# KiCad board noraneko42w.kicad_pcb
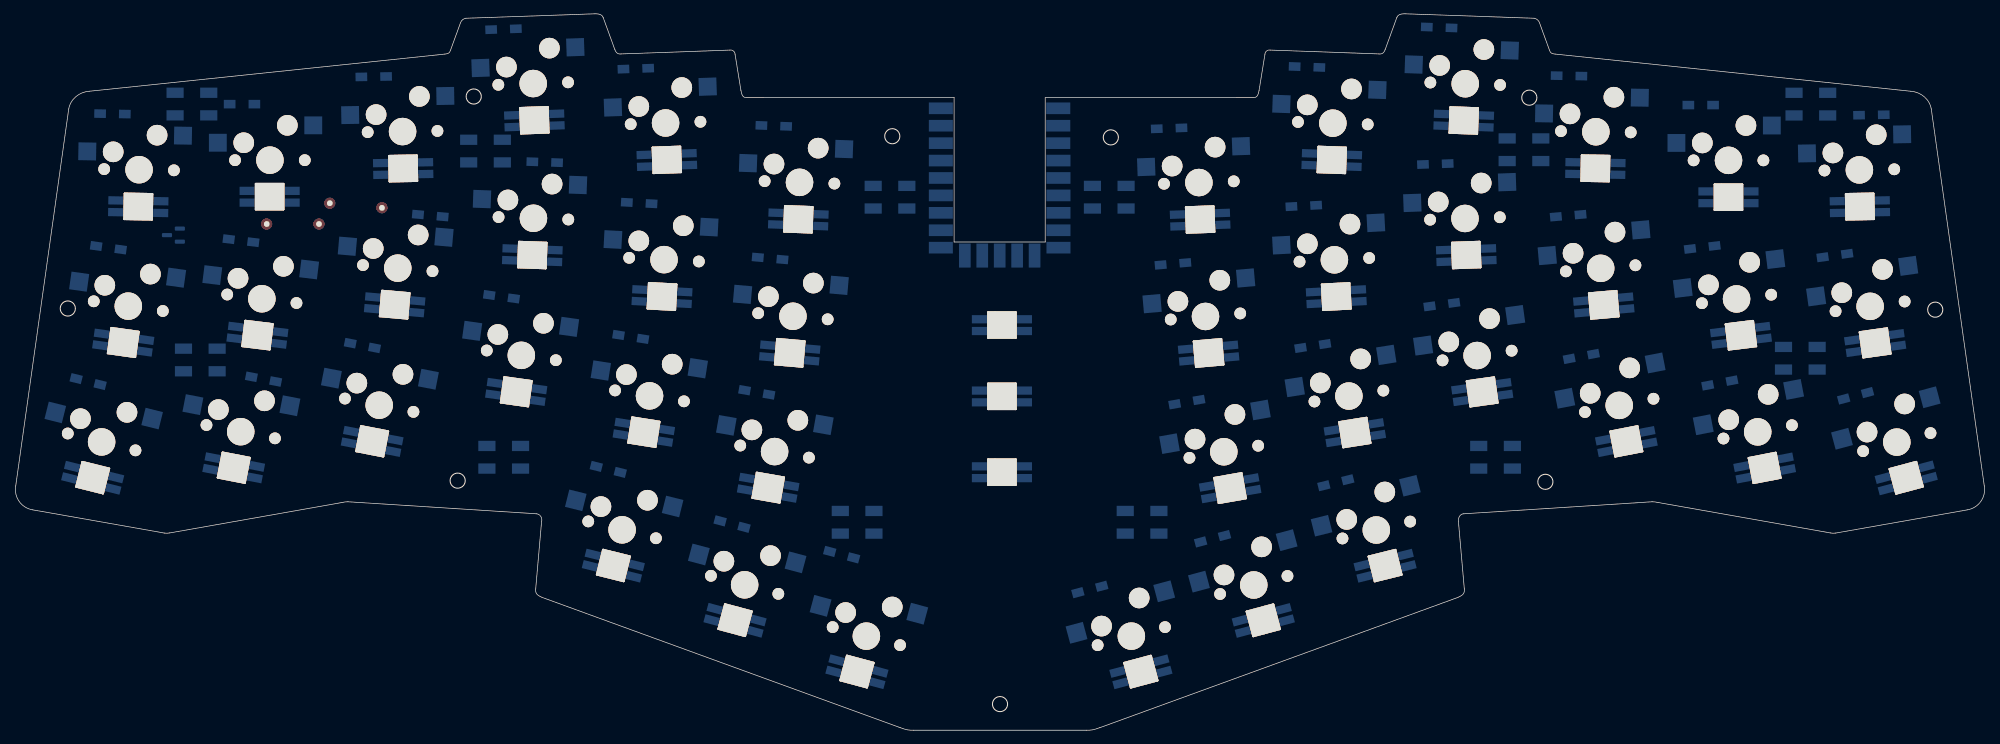
[diagram p0: board, top side]
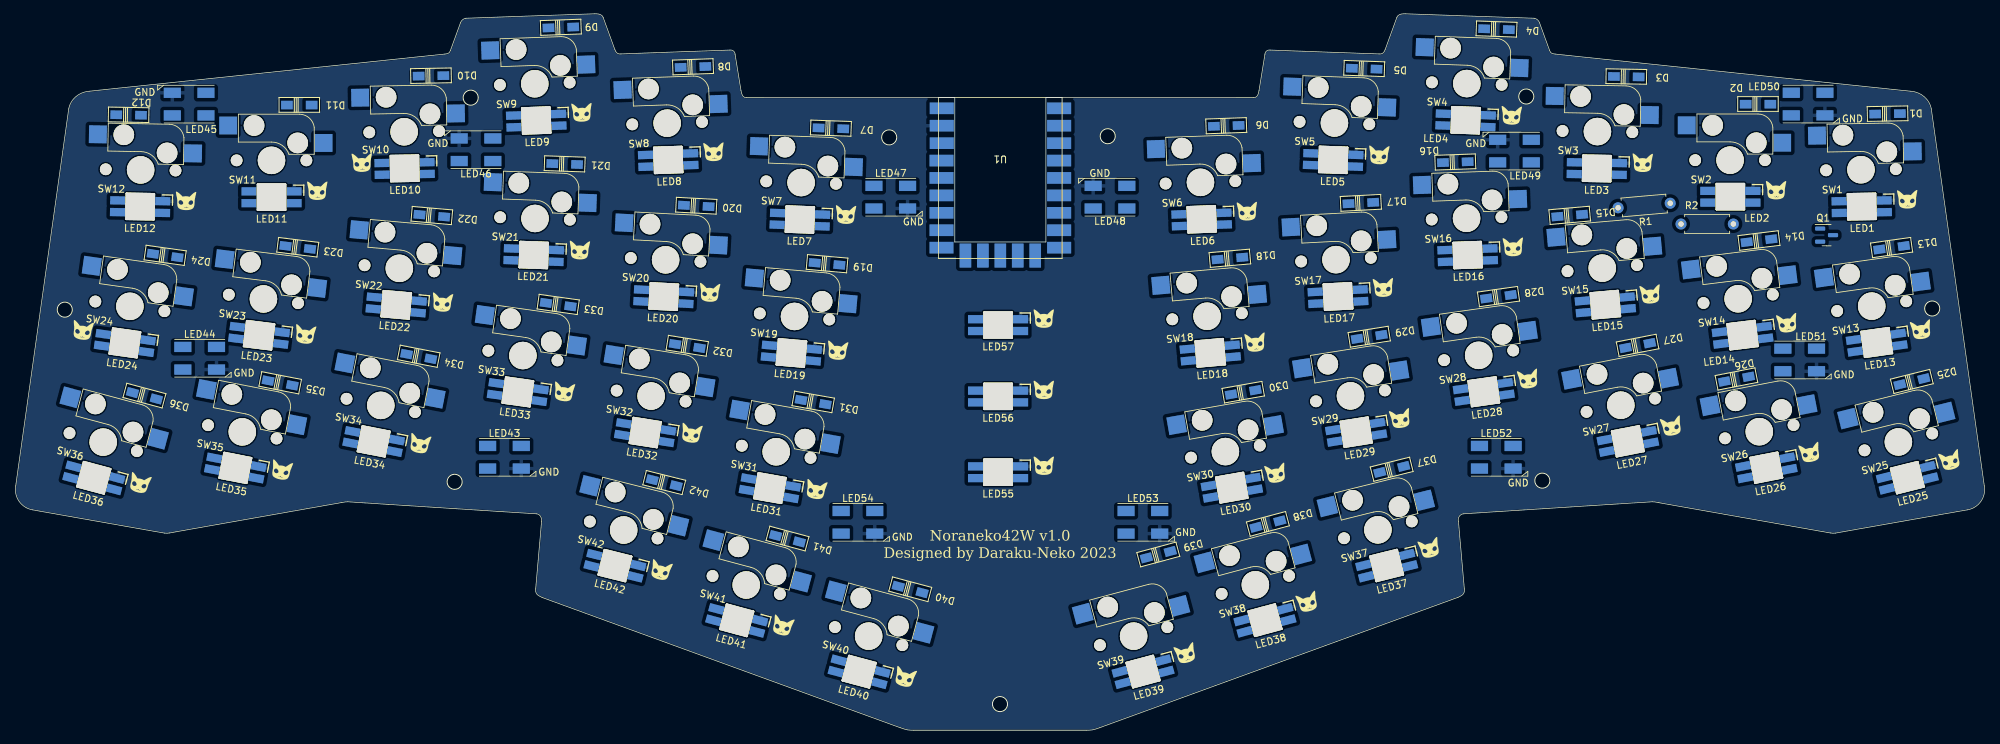
[diagram p1: board, bottom side, seen from below]

Outline 287.28 x 104.48 mm; copper layers: Top, Bottom. Coordinates in mm from the lower left corner of the outline.
Outline path: circle c7.88,61.5 r1.1 ; circle c64.66,36.4 r1.1 ; circle c67,92.41 r1.1 ; circle c127.95,86.62 r1.1 ; circle c143.64,3.82 r1.1 ; circle c159.78,86.45 r1.1 ; circle c220.73,92.24 r1.1 ; circle c223.07,36.23 r1.1 ; circle c279.85,61.33 r1.1 ; 0.29,35.62 8.01,90.59 ; 2.72,32.15 21.94,28.76 ; 22.72,28.78 47.78,33.21 ; 48.66,33.32 76.17,31.56 ; 62.79,98.59 10.99,93.17 ; 65.1,103.23 63.6,99.12 ; 65.84,103.82 84.65,104.47 ; 76.02,20.61 76.87,30.41 ; 87.56,99.22 85.84,103.95 ; 88.44,98.62 104.31,99.18 ; 105.91,93.31 105.05,98.59 ; 129.12,0.38 76.95,19.38 ; 136.96,92.26 106.7,92.26 ; 156.21,0.01 131.07,0.01 ; 180.58,92.26 150.23,92.26 ; 182.23,98.59 181.37,93.31 ; 182.97,99.18 198.84,98.62 ; 201.44,103.95 199.72,99.22 ; 202.63,104.47 221.44,103.82 ; 210.33,19.38 158.16,0.38 ; 210.41,30.41 211.26,20.61 ; 211.11,31.56 238.62,33.32 ; 223.68,99.12 222.18,103.23 ; 239.5,33.21 264.56,28.78 ; 265.34,28.76 284.56,32.15 ; 276.29,93.17 224.49,98.59 ; 279.27,90.59 286.99,35.62
Stack: Top 0.035mm / dielectric 1.51mm FR4 er 4.5 / Bottom 0.035mm

## Placement (name value [footprint] x y rotation side)
D1  D  [1N4148W]  14.38 89.88 179 bottom
D2  D  [1N4148W]  33.25 91.29 180 bottom
D3  D  [1N4148W]  52.43 95.3 181 bottom
D4  D  [1N4148W]  71.33 102.22 182 bottom
D5  D  [1N4148W]  90.6 96.47 182 bottom
D6  D  [1N4148W]  110.69 88.13 178 bottom
D7  D  [1N4148W]  168.27 87.77 182 bottom
D8  D  [1N4148W]  188.35 96.72 178 bottom
D9  D  [1N4148W]  207.6 102.48 178 bottom
D10  D  [1N4148W]  226.51 95.42 179 bottom
D11  D  [1N4148W]  245.69 91.16 180 bottom
D12  D  [1N4148W]  270.55 89.72 181 bottom
D13  D  [1N4148W]  13.79 70.36 172 bottom
D14  D  [1N4148W]  33.1 71.39 173 bottom
D15  D  [1N4148W]  60.67 75.05 175 bottom
D16  D  [1N4148W]  77.33 82.83 178 bottom
D17  D  [1N4148W]  91.09 76.88 177 bottom
D18  D  [1N4148W]  110.16 68.8 175 bottom
D19  D  [1N4148W]  168.83 68.01 185 bottom
D20  D  [1N4148W]  187.88 76.46 183 bottom
D21  D  [1N4148W]  207.04 82.56 182 bottom
D22  D  [1N4148W]  226.39 75.03 185 bottom
D23  D  [1N4148W]  245.92 70.41 187 bottom
D24  D  [1N4148W]  265.23 69.23 188 bottom
D25  D  [1N4148W]  10.84 50.84 166 bottom
D26  D  [1N4148W]  36.38 51.2 169 bottom
D27  D  [1N4148W]  50.78 56.1 169 bottom
D28  D  [1N4148W]  71.03 63.21 172 bottom
D29  D  [1N4148W]  89.86 57.36 171 bottom
D30  D  [1N4148W]  108.21 49.27 170 bottom
D31  D  [1N4148W]  170.85 47.86 190 bottom
D32  D  [1N4148W]  189.19 56.04 189 bottom
D33  D  [1N4148W]  207.99 62.07 188 bottom
D34  D  [1N4148W]  228.3 54.51 191 bottom
D35  D  [1N4148W]  248.47 50.64 191 bottom
D36  D  [1N4148W]  268.25 48.78 195 bottom
D37  D  [1N4148W]  86.59 38.04 166 bottom
D38  D  [1N4148W]  104.62 30.07 165 bottom
D39  D  [1N4148W]  120.58 25.61 165 bottom
D40  D  [1N4148W]  156.72 20.54 195 bottom
D41  D  [1N4148W]  174.59 27.93 195 bottom
D42  D  [1N4148W]  192.55 36.1 194 bottom
LED1  -  [SK6812MINI-E]  18.14 76.36 359 bottom
LED2  -  [SK6812MINI-E]  37.27 77.81 0 bottom
LED3  -  [SK6812MINI-E]  56.72 81.92 1 bottom
LED4  -  [SK6812MINI-E]  75.83 88.94 2 bottom
LED5  -  [SK6812MINI-E]  95.12 83.17 2 bottom
LED6  -  [SK6812MINI-E]  114.27 74.5 358 bottom
LED7  -  [SK6812MINI-E]  172.79 74.47 2 bottom
LED8  -  [SK6812MINI-E]  191.96 83.16 358 bottom
LED9  -  [SK6812MINI-E]  211.18 88.91 358 bottom
LED10  -  [SK6812MINI-E]  230.35 81.93 359 bottom
LED11  -  [SK6812MINI-E]  249.73 77.73 0 bottom
LED12  -  [SK6812MINI-E]  268.87 76.36 1 bottom
LED13  -  [SK6812MINI-E]  15.95 56.54 352 bottom
LED14  -  [SK6812MINI-E]  35.49 57.61 353 bottom
LED15  -  [SK6812MINI-E]  55.48 62.05 355 bottom
LED16  -  [SK6812MINI-E]  75.53 69.29 358 bottom
LED17  -  [SK6812MINI-E]  94.41 63.25 357 bottom
LED18  -  [SK6812MINI-E]  113.02 55.03 355 bottom
LED19  -  [SK6812MINI-E]  174.02 55.01 5 bottom
LED20  -  [SK6812MINI-E]  192.61 63.23 3 bottom
LED21  -  [SK6812MINI-E]  211.55 69.29 2 bottom
LED22  -  [SK6812MINI-E]  231.57 62.03 5 bottom
LED23  -  [SK6812MINI-E]  251.55 57.59 7 bottom
LED24  -  [SK6812MINI-E]  271.09 56.48 8 bottom
LED25  -  [SK6812MINI-E]  11.5 36.83 346 bottom
LED26  -  [SK6812MINI-E]  32.04 38.28 349 bottom
LED27  -  [SK6812MINI-E]  52.2 42.13 349 bottom
LED28  -  [SK6812MINI-E]  73.18 49.35 352 bottom
LED29  -  [SK6812MINI-E]  91.77 43.46 351 bottom
LED30  -  [SK6812MINI-E]  109.88 35.37 350 bottom
LED31  -  [SK6812MINI-E]  177.15 35.31 10 bottom
LED32  -  [SK6812MINI-E]  195.32 43.41 9 bottom
LED33  -  [SK6812MINI-E]  213.86 49.33 8 bottom
LED34  -  [SK6812MINI-E]  234.86 42.12 11 bottom
LED35  -  [SK6812MINI-E]  255 38.25 11 bottom
LED36  -  [SK6812MINI-E]  275.62 36.81 15 bottom
LED37  -  [SK6812MINI-E]  87.33 24.02 346 bottom
LED38  -  [SK6812MINI-E]  105.05 16.05 345 bottom
LED39  -  [SK6812MINI-E]  122.81 8.56 345 bottom
LED40  -  [SK6812MINI-E]  164.15 8.54 15 bottom
LED41  -  [SK6812MINI-E]  181.98 16.03 15 bottom
LED42  -  [SK6812MINI-E]  199.72 24.01 14 bottom
LED43  SK6812MINI-E  [WS2812B_PLCC4_5.0x5.0mm]  215.81 39.81 180 bottom
LED44  SK6812MINI-E  [WS2812B_PLCC4_5.0x5.0mm]  260.2 54.25 180 bottom
LED45  SK6812MINI-E  [WS2812B_PLCC4_5.0x5.0mm]  261.73 91.3 0 bottom
LED46  SK6812MINI-E  [WS2812B_PLCC4_5.0x5.0mm]  219.95 84.65 0 bottom
LED47  SK6812MINI-E  [WS2812B_PLCC4_5.0x5.0mm]  159.55 77.73 180 bottom
LED48  SK6812MINI-E  [WS2812B_PLCC4_5.0x5.0mm]  127.62 77.73 0 bottom
LED49  SK6812MINI-E  [WS2812B_PLCC4_5.0x5.0mm]  68.71 84.45 0 bottom
LED50  SK6812MINI-E  [WS2812B_PLCC4_5.0x5.0mm]  25.95 91.31 180 bottom
LED51  SK6812MINI-E  [WS2812B_PLCC4_5.0x5.0mm]  27.17 53.99 180 bottom
LED52  SK6812MINI-E  [WS2812B_PLCC4_5.0x5.0mm]  71.36 39.81 180 bottom
LED53  SK6812MINI-E  [WS2812B_PLCC4_5.0x5.0mm]  122.83 30.33 180 bottom
LED54  SK6812MINI-E  [WS2812B_PLCC4_5.0x5.0mm]  164.33 30.33 180 bottom
LED55  -  [SK6812MINI-E]  143.92 37.64 0 bottom
LED56  -  [SK6812MINI-E]  143.92 48.69 0 bottom
LED57  -  [SK6812MINI-E]  143.92 59.09 0 bottom
Q1  BSS138  [SOT-23]  23.26 72.2 180 bottom
R1  10K  [R_Axial_DIN0207_L6.3mm_D2.5mm_P7.62mm_Horizontal]  46.03 76.85 355 bottom
R2  10K  [R_Axial_DIN0207_L6.3mm_D2.5mm_P7.62mm_Horizontal]  44.46 73.82 180 bottom
SW1  SW_Push  [MX_Socket]  18.25 81.73 359 top
SW2  SW_Push  [MX_Socket]  37.31 83.13 0 top
SW3  SW_Push  [MX_Socket]  56.63 87.3 1 top
SW4  SW_Push  [MX_Socket]  75.65 94.3 2 top
SW5  SW_Push  [MX_Socket]  94.93 88.55 2 top
SW6  SW_Push  [MX_Socket]  114.44 79.89 358 top
SW7  SW_Push  [MX_Socket]  172.61 79.86 2 top
SW8  SW_Push  [MX_Socket]  192.12 88.52 358 top
SW9  SW_Push  [MX_Socket]  211.39 94.27 358 top
SW10  SW_Push  [MX_Socket]  230.42 87.27 359 top
SW11  SW_Push  [MX_Socket]  249.74 83.1 0 top
SW12  SW_Push  [MX_Socket]  268.8 81.71 1 top
SW13  SW_Push  [MX_Socket]  16.69 61.84 352 top
SW14  SW_Push  [MX_Socket]  36.14 62.92 353 top
SW15  SW_Push  [MX_Socket]  55.93 67.38 355 top
SW16  SW_Push  [MX_Socket]  75.69 74.65 358 top
SW17  SW_Push  [MX_Socket]  94.71 68.62 357 top
SW18  SW_Push  [MX_Socket]  113.48 60.37 355 top
SW19  SW_Push  [MX_Socket]  173.57 60.34 5 top
SW20  SW_Push  [MX_Socket]  192.34 68.6 3 top
SW21  SW_Push  [MX_Socket]  211.36 74.63 2 top
SW22  SW_Push  [MX_Socket]  231.12 67.36 5 top
SW23  SW_Push  [MX_Socket]  250.91 62.89 7 top
SW24  SW_Push  [MX_Socket]  270.36 61.81 8 top
SW25  SW_Push  [MX_Socket]  12.8 42.05 346 top
SW26  SW_Push  [MX_Socket]  33.06 43.54 349 top
SW27  SW_Push  [MX_Socket]  53.23 47.4 349 top
SW28  SW_Push  [MX_Socket]  73.92 54.67 352 top
SW29  SW_Push  [MX_Socket]  92.6 48.76 351 top
SW30  SW_Push  [MX_Socket]  110.81 40.64 350 top
SW31  SW_Push  [MX_Socket]  176.24 40.61 10 top
SW32  SW_Push  [MX_Socket]  194.45 48.73 9 top
SW33  SW_Push  [MX_Socket]  213.12 54.64 8 top
SW34  SW_Push  [MX_Socket]  233.82 47.37 11 top
SW35  SW_Push  [MX_Socket]  253.99 43.51 11 top
SW36  SW_Push  [MX_Socket]  274.25 42.02 15 top
SW37  SW_Push  [MX_Socket]  88.6 29.23 346 top
SW38  SW_Push  [MX_Socket]  106.45 21.21 345 top
SW39  SW_Push  [MX_Socket]  124.18 13.73 345 top
SW40  SW_Push  [MX_Socket]  162.77 13.73 15 top
SW41  SW_Push  [MX_Socket]  180.6 21.18 15 top
SW42  SW_Push  [MX_Socket]  198.45 29.2 14 top
U1  RP2040-Zero  [RP2040-Zero-SMD]  143.6 81.28 180 bottom

## Library data of the parts
D1-D42 = -: Description: Diode, small symbol; LCSC: C81598; Sim.Pins: 1=K 2=A
LED43-LED45 = -: Field5: 1
LED46-LED54 = -: LCSC: C2843785; Field5: 1
LED57 = -: LCSC: C2843785
Q1 = -: Description: 50V Vds, 0.22A Id, N-Channel MOSFET, SOT-23; LCSC: C2874697
R1 R2 = -: Description: Resistor
SW1-SW42 = -: Description: Push button switch, generic, two pins

## Footprints (pads in the part's own frame, mm; a bottom-side part is the same pattern mirrored in y, then rotated)
1N4148W
  rect 1.7x1.25 smd: 1(-1.8,0) 2(1.8,0)
MX_Socket
  round 1.7 hole 1.7 unplated: (-5.081,-0.001) (5.079,-0.001)
  round 3 hole 3 unplated: (-3.811,2.539) (2.539,5.079)
  round 4 hole 4 unplated: (0,0)
  rect 2.6x2.6 smd far side: 1(6.314,5.079) 2(-7.586,2.539)
R_Axial_DIN0207_L6.3mm_D2.5mm_P7.62mm_Horizontal
  round 1.6 hole 0.8: 1(0,0)
  oval 1.6x1.6 hole 0.8: 2(7.62,0)
RP2040-Zero-SMD
  rect 3.5x1.7 smd: 0(9.47,9.41) 1(9.47,6.87) 2(9.47,4.33) 3(9.47,1.79) 4(9.47,-0.75) 5(9.47,-3.29) 6(9.47,-5.83) 7(9.47,-8.37) 8(9.47,-10.91) 14(-9.46,-10.91) 15(-9.46,-8.37) 26(-9.46,-5.83) 27(-9.46,-3.29) 28(-9.46,-0.75) 29(-9.46,1.79) 30(-9.43,4.33) 31(-9.43,6.87) 32(-9.43,9.41)
  rect 1.7x3.5 smd: 9(5.08,-12.96) 10(2.54,-12.96) 11(0,-12.96) 12(-2.54,-12.96) 13(-5.08,-12.96)
SK6812MINI-E
  oval 0.3x4 hole 0.3x4 unplated: (-2,0) (2,0)
  oval 1x3.8 hole 1x3.8 unplated: (-1.47,0) (-1,-0.05) (-0.43,-0.01) (0.3,-0.02) (0.93,-0.02) (1.5,0.02)
  oval 4.3x0.3 hole 4.3x0.3 unplated: (0,-1.86) (0,1.85)
  rect 2.2x1.2 smd: 1(3.28,0.87) 2(3.28,-0.843) 3(-3.28,-0.843) 4(-3.28,0.87)
SOT-23
  rrect 1.475x0.6 smd: 1(-0.938,0.95) 2(-0.938,-0.95) 3(0.938,0)
WS2812B_PLCC4_5.0x5.0mm
  rect 2.5x1.5 smd: 1(-2.45,1.65) 2(-2.45,-1.65) 3(2.45,-1.65) 4(2.45,1.65)

## Nets
+3.3V: Q1.1 R1.1 U1.30
+5V: LED1.1 LED2.1 LED3.1 LED4.1 LED5.1 LED6.1 LED7.1 LED8.1 LED9.1 LED10.1 LED11.1 LED12.1 LED13.1 LED14.1 LED15.1 LED16.1 LED17.1 LED18.1 LED19.1 LED20.1 LED21.1 LED22.1 LED23.1 LED24.1 LED25.1 LED26.1 LED27.1 LED28.1 LED29.1 LED30.1 LED31.1 LED32.1 LED33.1 LED34.1 LED35.1 LED36.1 LED37.1 LED38.1 LED39.1 LED40.1 LED41.1 LED42.1 LED43.1 LED44.1 LED45.1 LED46.1 LED47.1 LED48.1 LED49.1 LED50.1 LED51.1 LED52.1 LED53.1 LED54.1 LED55.1 LED56.1 LED57.1 R2.1 U1.32
GND: LED1.3 LED2.3 LED3.3 LED4.3 LED5.3 LED6.3 LED7.3 LED8.3 LED9.3 LED10.3 LED11.3 LED12.3 LED13.3 LED14.3 LED15.3 LED16.3 LED17.3 LED18.3 LED19.3 LED20.3 LED21.3 LED22.3 LED23.3 LED24.3 LED25.3 LED26.3 LED27.3 LED28.3 LED29.3 LED30.3 LED31.3 LED32.3 LED33.3 LED34.3 LED35.3 LED36.3 LED37.3 LED38.3 LED39.3 LED40.3 LED41.3 LED42.3 LED43.3 LED44.3 LED45.3 LED46.3 LED47.3 LED48.3 LED49.3 LED50.3 LED51.3 LED52.3 LED53.3 LED54.3 LED55.3 LED56.3 LED57.3 U1.31
COL0: SW1.1 SW13.1 SW25.1 U1.1
COL1: SW2.1 SW14.1 SW26.1 U1.2
COL2: SW3.1 SW15.1 SW27.1 U1.3
COL3: SW4.1 SW16.1 SW28.1 SW37.1 U1.4
COL4: SW5.1 SW17.1 SW29.1 SW38.1 U1.5
COL5: SW6.1 SW18.1 SW30.1 SW39.1 U1.6
COL6: SW7.1 SW19.1 SW31.1 SW40.1 U1.7
COL7: SW8.1 SW20.1 SW32.1 SW41.1 U1.8
COL8: SW9.1 SW21.1 SW33.1 SW42.1 U1.9
COL9: SW10.1 SW22.1 SW34.1 U1.10
COL10: SW11.1 SW23.1 SW35.1 U1.11
COL11: SW12.1 SW24.1 SW36.1 U1.12
LED3.3V: Q1.2 R1.2 U1.0
LED5V: LED1.4 Q1.3 R2.2
ROW0: D1.1 D2.1 D3.1 D4.1 D5.1 D6.1 D7.1 D8.1 D9.1 D10.1 D11.1 D12.1 U1.15
ROW1: D13.1 D14.1 D15.1 D16.1 D17.1 D18.1 D19.1 D20.1 D21.1 D22.1 D23.1 D24.1 U1.26
ROW2: D25.1 D26.1 D27.1 D28.1 D29.1 D30.1 D31.1 D32.1 D33.1 D34.1 D35.1 D36.1 U1.27
ROW3: D37.1 D38.1 D39.1 D40.1 D41.1 D42.1 U1.28
Net-(D1-A): D1.2 SW1.2
Net-(D2-A): D2.2 SW2.2
Net-(D3-A): D3.2 SW3.2
Net-(D4-A): D4.2 SW4.2
Net-(D5-A): D5.2 SW5.2
Net-(D6-A): D6.2 SW6.2
Net-(D7-A): D7.2 SW7.2
Net-(D8-A): D8.2 SW8.2
Net-(D9-A): D9.2 SW9.2
Net-(D10-A): D10.2 SW10.2
Net-(D11-A): D11.2 SW11.2
Net-(D12-A): D12.2 SW12.2
Net-(D13-A): D13.2 SW13.2
Net-(D14-A): D14.2 SW14.2
Net-(D15-A): D15.2 SW15.2
Net-(D16-A): D16.2 SW16.2
Net-(D17-A): D17.2 SW17.2
Net-(D18-A): D18.2 SW18.2
Net-(D19-A): D19.2 SW19.2
Net-(D20-A): D20.2 SW20.2
Net-(D21-A): D21.2 SW21.2
Net-(D22-A): D22.2 SW22.2
Net-(D23-A): D23.2 SW23.2
Net-(D24-A): D24.2 SW24.2
Net-(D25-A): D25.2 SW25.2
Net-(D26-A): D26.2 SW26.2
Net-(D27-A): D27.2 SW27.2
Net-(D28-A): D28.2 SW28.2
Net-(D29-A): D29.2 SW29.2
Net-(D30-A): D30.2 SW30.2
Net-(D31-A): D31.2 SW31.2
Net-(D32-A): D32.2 SW32.2
Net-(D33-A): D33.2 SW33.2
Net-(D34-A): D34.2 SW34.2
Net-(D35-A): D35.2 SW35.2
Net-(D36-A): D36.2 SW36.2
Net-(D37-A): D37.2 SW37.2
Net-(D38-A): D38.2 SW38.2
Net-(D39-A): D39.2 SW39.2
Net-(D40-A): D40.2 SW40.2
Net-(D41-A): D41.2 SW41.2
Net-(D42-A): D42.2 SW42.2
Net-(LED1-DOUT): LED1.2 LED2.4
Net-(LED2-DOUT): LED2.2 LED3.4
Net-(LED3-DOUT): LED3.2 LED4.4
Net-(LED4-DOUT): LED4.2 LED5.4
Net-(LED5-DOUT): LED5.2 LED6.4
Net-(LED6-DOUT): LED6.2 LED7.4
Net-(LED7-DOUT): LED7.2 LED8.4
Net-(LED8-DOUT): LED8.2 LED9.4
Net-(LED10-DIN): LED9.2 LED10.4
Net-(LED10-DOUT): LED10.2 LED11.4
Net-(LED11-DOUT): LED11.2 LED12.4
Net-(LED12-DOUT): LED12.2 LED13.4
Net-(LED13-DOUT): LED13.2 LED14.4
Net-(LED14-DOUT): LED14.2 LED15.4
Net-(LED15-DOUT): LED15.2 LED16.4
Net-(LED16-DOUT): LED16.2 LED17.4
Net-(LED17-DOUT): LED17.2 LED18.4
Net-(LED18-DOUT): LED18.2 LED19.4
Net-(LED19-DOUT): LED19.2 LED20.4
Net-(LED20-DOUT): LED20.2 LED21.4
Net-(LED21-DOUT): LED21.2 LED22.4
Net-(LED22-DOUT): LED22.2 LED23.4
Net-(LED23-DOUT): LED23.2 LED24.4
Net-(LED24-DOUT): LED24.2 LED25.4
Net-(LED25-DOUT): LED25.2 LED26.4
Net-(LED26-DOUT): LED26.2 LED27.4
Net-(LED27-DOUT): LED27.2 LED28.4
Net-(LED28-DOUT): LED28.2 LED29.4
Net-(LED29-DOUT): LED29.2 LED30.4
Net-(LED30-DOUT): LED30.2 LED31.4
Net-(LED31-DOUT): LED31.2 LED32.4
Net-(LED32-DOUT): LED32.2 LED33.4
Net-(LED33-DOUT): LED33.2 LED34.4
Net-(LED34-DOUT): LED34.2 LED35.4
Net-(LED35-DOUT): LED35.2 LED36.4
Net-(LED36-DOUT): LED36.2 LED37.4
Net-(LED37-DOUT): LED37.2 LED38.4
Net-(LED38-DOUT): LED38.2 LED39.4
Net-(LED39-DOUT): LED39.2 LED40.4
Net-(LED40-DOUT): LED40.2 LED41.4
Net-(LED41-DOUT): LED41.2 LED42.4
Net-(LED42-DOUT): LED42.2 LED43.4
Net-(LED43-DOUT): LED43.2 LED44.4
Net-(LED44-DOUT): LED44.2 LED45.4
Net-(LED45-DOUT): LED45.2 LED46.4
Net-(LED46-DOUT): LED46.2 LED47.4
Net-(LED47-DOUT): LED47.2 LED48.4
Net-(LED48-DOUT): LED48.2 LED49.4
Net-(LED49-DOUT): LED49.2 LED50.4
Net-(LED50-DOUT): LED50.2 LED51.4
Net-(LED51-DOUT): LED51.2 LED52.4
Net-(LED52-DOUT): LED52.2 LED53.4
Net-(LED53-DOUT): LED53.2 LED54.4
Net-(LED54-DOUT): LED54.2 LED55.4
Net-(LED55-DOUT): LED55.2 LED56.4
Net-(LED56-DOUT): LED56.2 LED57.4

Pads without a net: LED57 2; U1 13 14 29

## Copper pours and planes (outline as drawn; the poured copper is in the pictures)
GND on Top, Bottom: 279.11,93.21 287.89,34.89 285.83,32.24 264.88,28.52 238.61,32.98 210.81,31.12 211.53,20.82 211.26,19.43 156.96,-0.23 130.19,-0.31 91.43,13.76 75.66,19.66 76.42,31.03 48.63,33 22.35,28.54 1.07,31.87 -0.08,34.56 8,92.47 9.13,93.01 62.81,98.97 64.97,103.99 85.72,104.92 88.25,99.1 105.4,99.62 106.69,92.67 180.38,92.97 181.87,98.64 182.85,99.59 184.64,99.55 199.11,98.88 201.47,104.51 202.83,104.74 222.14,103.92 223.95,98.95

## Text on the board
B.Silkscreen: Noraneko42W v1.0 / Designed by Daraku-Neko 2023
